# Altium PCB onStep-board.PcbDoc
Units mm, origin at the board's own origin, x right, y up, seen from the top; angles counter-clockwise.
Board outline 100 x 70 mm, 2 copper layers (Top Layer, Bottom Layer); 52 components, 46 nets, 205 pads, 34 vias.
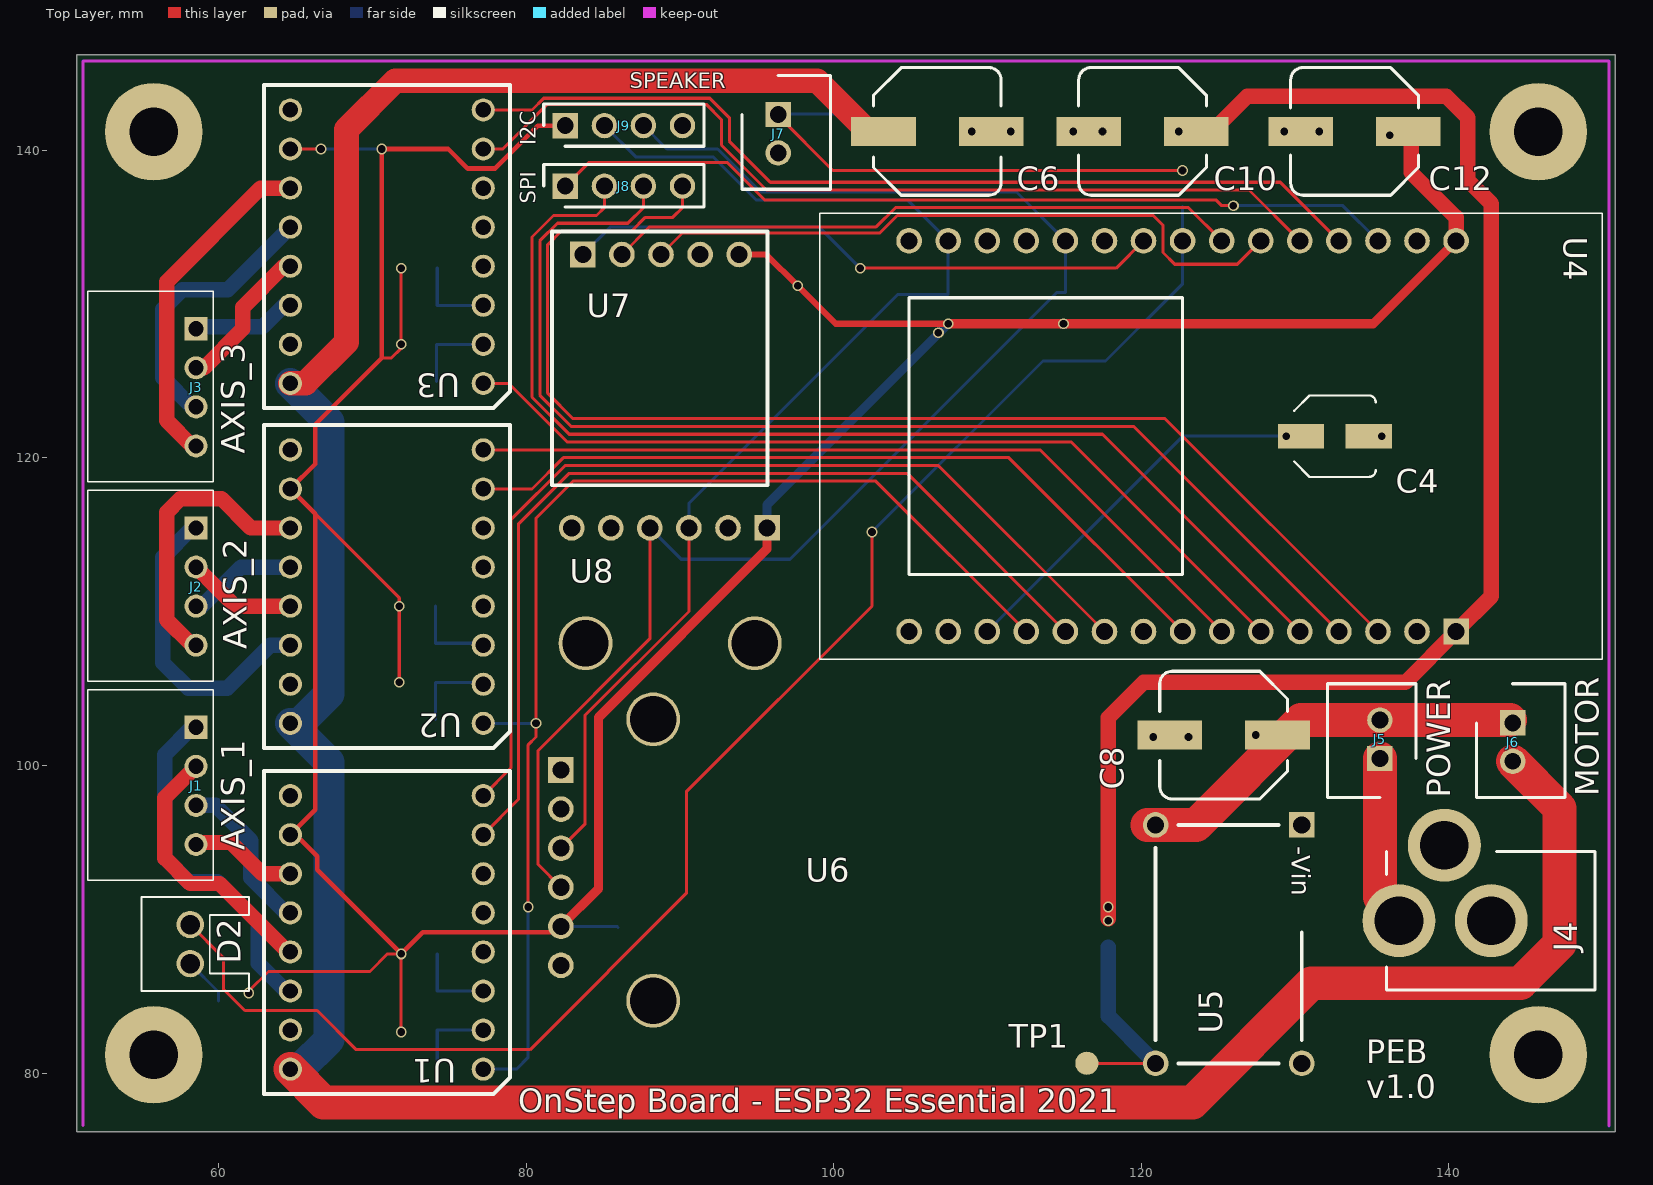
[diagram p0: Top Layer view]
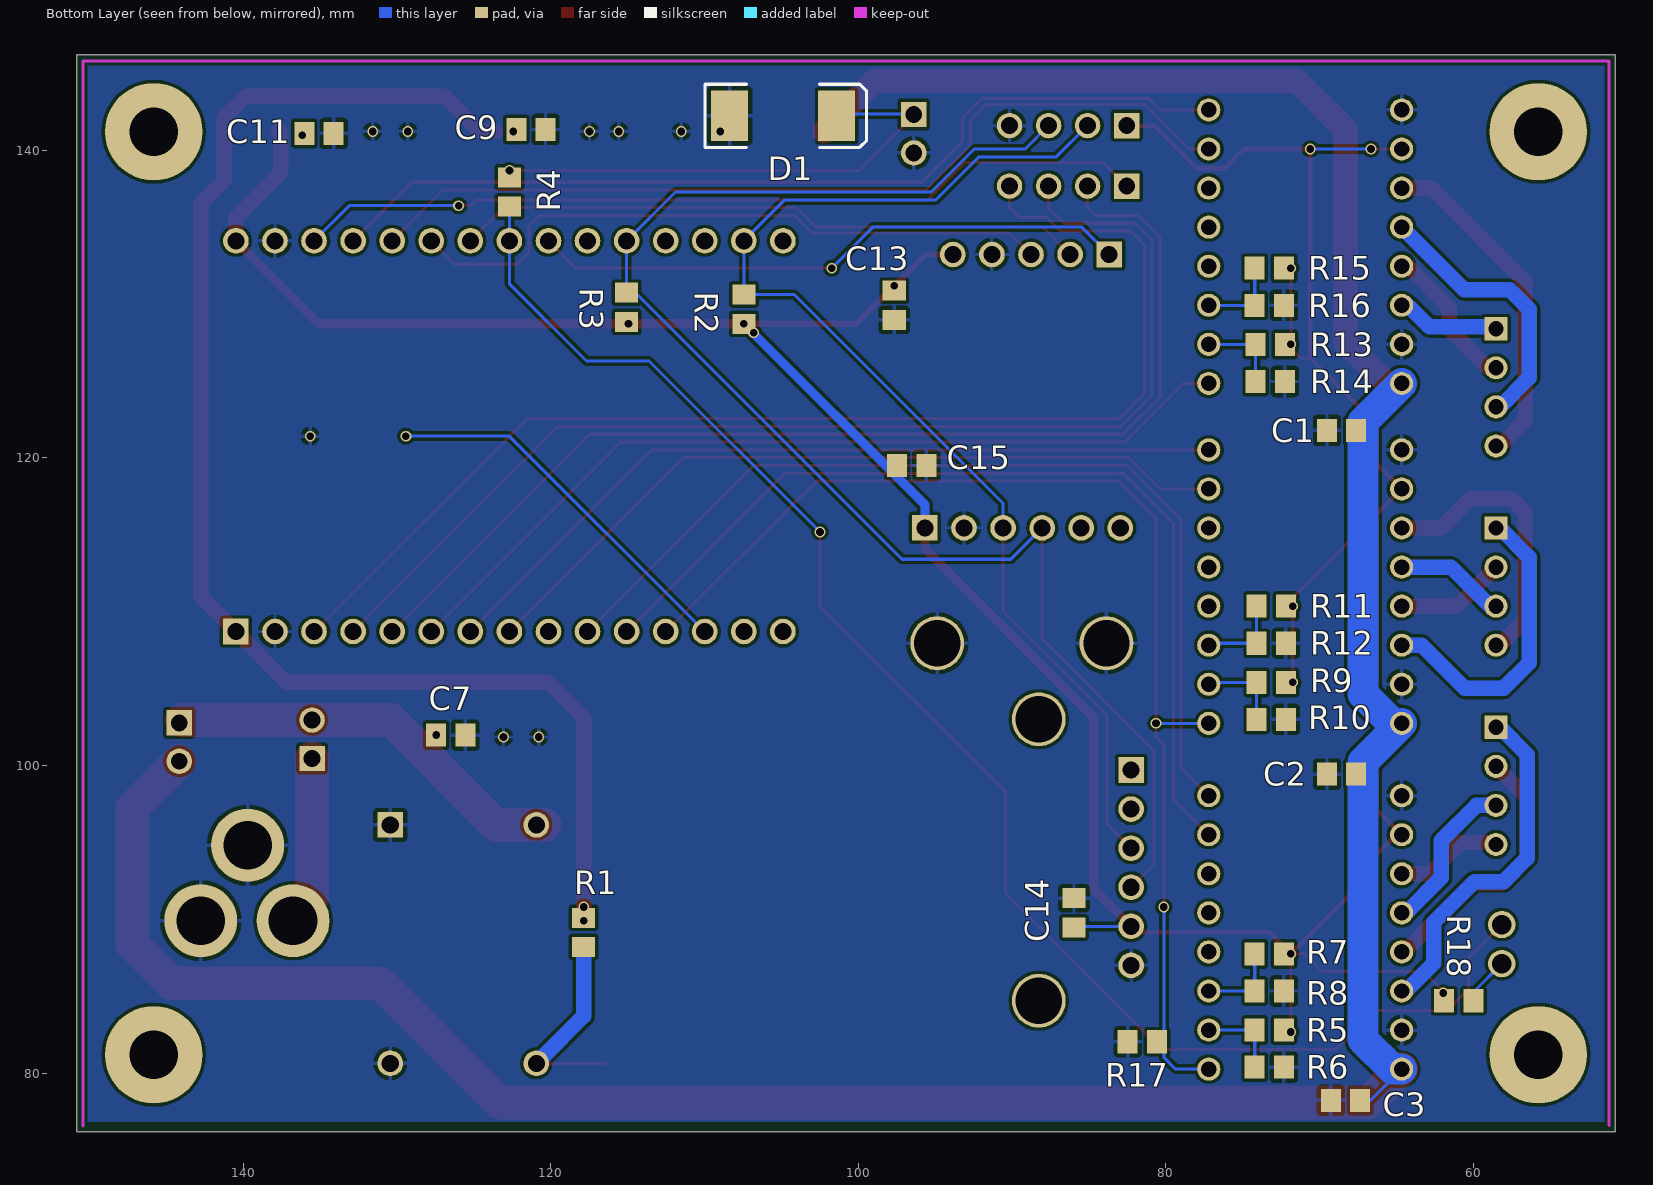
[diagram p1: Bottom Layer view, seen from below]
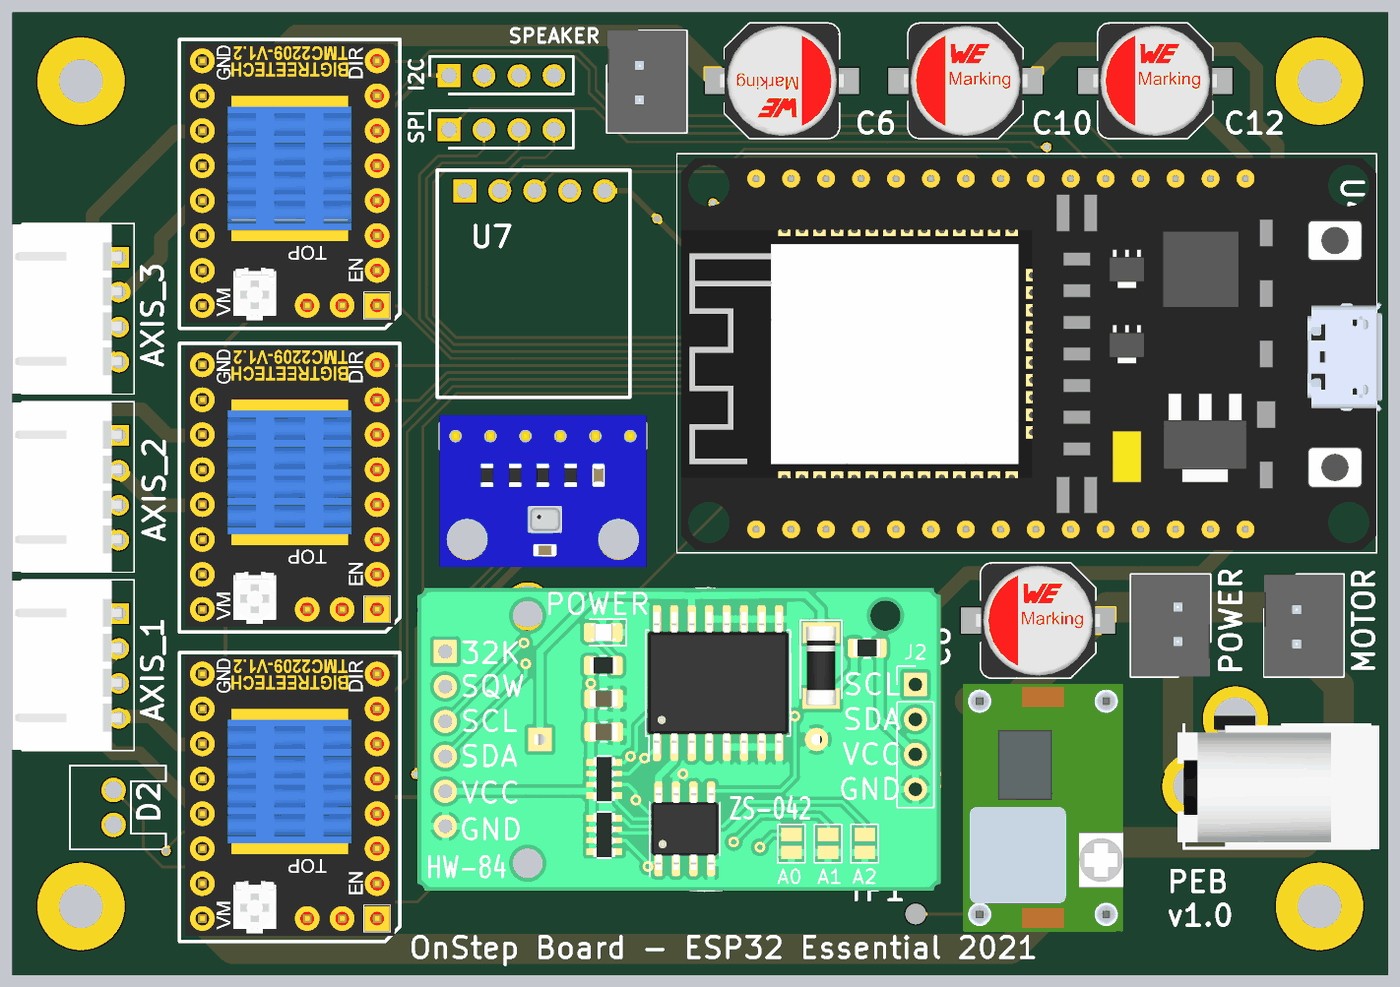
[diagram p2: 3D render of the assembled board from above, using the file's embedded part models]
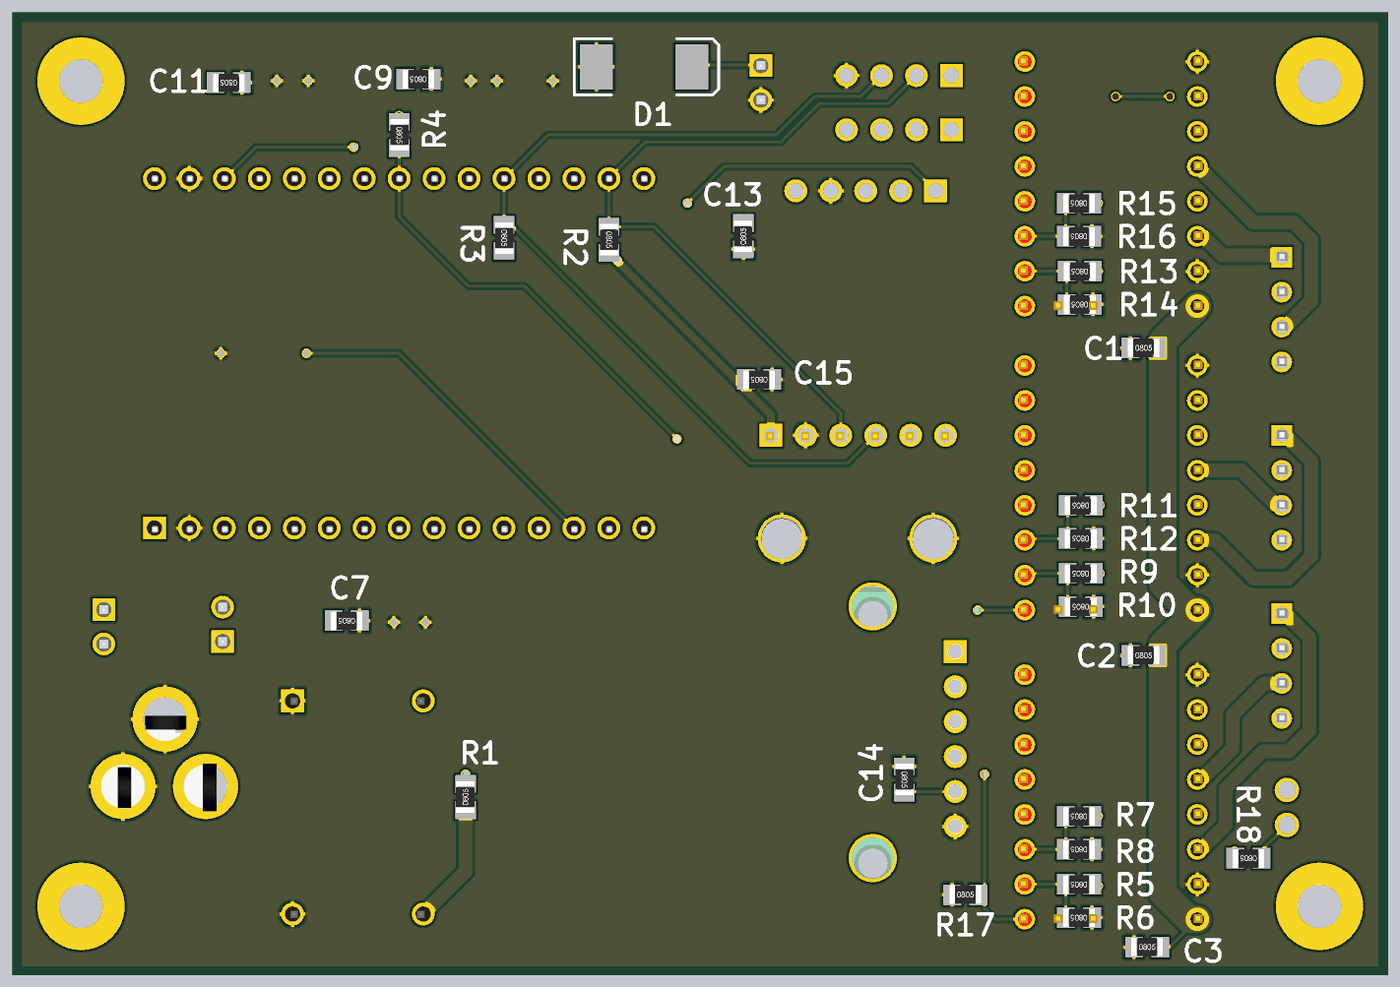
[diagram p3: 3D render of the assembled board from below, using the file's embedded part models]

## Layer stack, top to bottom
Top Solder: solder mask 0.0102, Solder Resist, Dk 3.5
Top Layer: signal copper 0.0356
Dielectric 1: dielectric 0.32, FR-4, Dk 4.8
Bottom Layer: signal copper 0.0356
Bottom Solder: solder mask 0.0102, Solder Resist, Dk 3.5

## Board outline
50.8,76.2 150.8,76.2 150.8,146.2 50.8,146.2

## Design rules (kind name [scope] priority, off if disabled: settings)
Clearance [All] p1: gap=0.2 ignorepadtopadclearanceinfootprint=FALSE
HoleSize [All] p1: absolutevalues=TRUE maxlimit=6 minlimit=0.025 maxpercent=80.000 minpercent=20.000
PolygonConnect [All] p1: connectstyle=Relief reliefconductorwidth=0.254 reliefentries=4 polygonreliefangle="90 Angle" airgapwidth=0.254
RoutingVias [All] p1: holewidth=0.6 width=1 viastyle="Through Hole" minholewidth=0.5 minwidth=1.27 maxholewidth=7 maxwidth=9
SolderMaskExpansion [All] p1: expansion=0.102
Width [All] p1: maxlimit=5 minlimit=0.2 preferedwidth=0.2
29 further rules are at their usual default settings.

## Classes and differential pairs
component class onStep-board-uc: C4 C11 C12 C13 C14 C15 D1 D2 J7 J8 J9 R2 R3 R4 R17 R18 U4 U6 U7 U8
component class onStep-board-power: C1 C2 C3 C6 C7 C8 C9 C10 J1 J2 J3 J4 J5 J6 R1 R5 R6 R7 R8 R9 R10 R11 R12 R13 R14 R15 R16 TP1 U1 U2 U3 U5

## Components (designator, comment, footprint, x,y, rotation, side; value= is the part's Value field where it differs from the comment)
C1 "Cap" 0805 68.58,121.793 r180 bottom value=1uF
C2 "Cap" 0805 68.58,99.441 r180 bottom value=1uF
C3 "Cap" 0805 68.326,78.232 r180 bottom value=1uF
C4 "865060453006" WCAP-ASLL_5x5.5 132.588,121.412 r180 top value=10uF
C6 "865060453008" WCAP-ASLL_8x10.5 106.736,141.224 r180 top value=330uF
C7 "Cap" 0805 126.492,101.981 r0 bottom value=1uF
C8 "865060453006" WCAP-ASLL_8x10.5 125.349,101.981 r0 top value=100uF
C9 "Cap" 0805 121.285,141.351 r0 bottom value=1uF
C10 "865060453006" WCAP-ASLL_8x10.5 120.076,141.224 r0 top value=100uF
C11 "Cap" 0805 135.062,141.097 r0 bottom value=1uF
C12 "865060453006" WCAP-ASLL_8x10.5 133.858,141.224 r0 top value=10uF
C13 "Cap" 0805 97.663,129.921 r90 bottom value=1uF
C14 "Cap" 0805 85.979,90.424 r270 bottom value=1uF
C15 "Cap" 0805 96.52,119.507 r0 bottom value=1uF
D1 "Diode" SMC 104.886,142.24 r180 bottom
D2 "LED0" LED-0 58.166,88.392 r270 top
J1 "AXIS_1" B4BXHALFSN 58.547,102.489 r270 top
J2 "AXIS_2" B4BXHALFSN 58.547,115.443 r270 top
J3 "AXIS_3" B4BXHALFSN 58.547,128.397 r270 top
J4 "NEB_21R" NEB21R 142.748,89.916 r180 top
J5 "POWER" B2BXHALFSN 135.509,100.457 r90 top
J6 "MOTOR" B2BXHALFSN 144.145,102.777 r270 top
J7 "SPEAKER" B2BXHALFSN 96.393,142.327 r270 top
J8 "SPI" p4 82.55,137.668 r0 top
J9 "I2C" p4 82.55,141.605 r0 top
R1 "Res1" 0805 117.856,89.154 r90 bottom value=0R
R2 "Res1" 0805 107.442,129.667 r270 bottom value=2R2
R3 "Res1" 0805 115.062,129.794 r270 bottom value=2R2
R4 "Res1" 0805 122.682,137.287 r270 bottom value=200R
R5 "Res1" 0805 73.279,82.804 r0 bottom value=0R
R6 "Res1" 0805 73.279,80.391 r0 bottom value=0R
R7 "Res1" 0805 73.279,87.757 r0 bottom value=0R
R8 "Res1" 0805 73.279,85.344 r0 bottom value=0R
R9 "Res1" 0805 73.152,105.41 r0 bottom value=0R
R10 "Res1" 0805 73.152,102.997 r0 bottom value=0R
R11 "Res1" 0805 73.152,110.363 r0 bottom value=0R
R12 "Res1" 0805 73.152,107.95 r0 bottom value=0R
R13 "Res1" 0805 73.218,127.381 r0 bottom value=0R
R14 "Res1" 0805 73.218,124.968 r0 bottom value=0R
R15 "Res1" 0805 73.279,132.334 r0 bottom value=0R
R16 "Res1" 0805 73.279,129.921 r0 bottom value=0R
R17 "Res1" 0805 81.534,82.042 r180 bottom value=470R
R18 "Res1" 0805 60.96,84.709 r0 bottom value=3K3
TP1 "TEST_POINT" TEST_POINT 116.459,80.645 r90 top
U1 "TMC2208" TMC22XX 77.216,80.264 r180 top
U2 "TMC2208" TMC22xx 77.216,102.743 r180 top
U3 "TMC2208" TMC22xx 77.216,124.841 r180 top
U4 "ESP32-WROOM-DEVKIT" ESP32-WROOM-DEVKIT 130.302,121.412 r180 top
U5 "DCDC-MINI360" DCDC-MINI360 130.429,96.139 r270 top
U6 "DS3231" DS3231 82.265,99.709 r0 top
U7 "ATGM336H" ATGM336H 83.693,133.223 r90 top
U8 "BMP280" BMP280 95.669,115.45 r270 top

## Footprints (in the part's own frame and the unit in brackets; to place one, negate y for a bottom-side part, rotate by r counter-clockwise, add the part's x,y. Pads: shape width x height; smd on the part's side, far side on the other; paste and mask are expansions set on the pad)
0805 [mm] "Chip Resistor; Body 2.0 x 1.3 mm (LxW typ)"
  rect 1.3x1.5 smd: 1(-0.95,0) 2(0.95,0)
  body extent -1.15,-0.65 1.15,0.7, height 0.76
ATGM336H [mm]
  rect 1.665x1.665 hole 1.11: 1(0,0)
  round 1.665 hole 1.11: 2(0,-2.54) 3(0,-5.08) 4(0,-7.62) 5(0,-10.16)
  silkscreen extent -15,-12 1.5,2
B2BXHALFSN [mm]
  rect 1.65x1.65 hole 1.1: 1(0,0)
  round 1.65 hole 1.1: 2(2.5,0)
  silkscreen extent -2.54,-2.35 4.86,3.4, body extent -2.54,-2.35 4.86,3.4, height 7
B4BXHALFSN [mm]
  rect 1.5x1.5 hole 1: 1(0,0)
  round 1.5 hole 1: 2(2.54,0) 3(5.08,0) 4(7.62,0)
  silkscreen extent -2.45,-7.04 9.95,1.12, body extent -2.39,-7.74 9.91,0.3, height 5.84
BMP280 [mm]
  rect 1.665x1.665 hole 1.11: 1(0,0)
  round 1.665 hole 1.11: 2(0,-2.54) 3(0,-5.08) 4(0,-7.62) 5(0,-10.16) 6(0,-12.7)
  round 3.5 hole 3: 2(7.5,-0.8) 2(7.5,-11.8)
  body extent -1.44,-13.92 9.56,1.32, height 6.07
DCDC-MINI360 [mm]
  rect 1.665x1.665 hole 1.11: 1(0,0)
  round 1.665 hole 1.11: 2(0,-9.5) 3(15.5,-9.5) 4(15.5,0)
  silkscreen extent 0,-9.5 15.5,0, body extent -1.23,-10.55 16.77,1.1, height 7.2
DS3231 [mm]
  rect 1.665x1.665 hole 1.11: 1(0,0)
  round 1.665 hole 1.11: 2(0,-2.54) 3(0,-5.08) 4(0,-7.62) 5(0,-10.16) 6(0,-12.7)
  round 3.5 hole 3: 2(6,-15) 2(6,3.3)
  body extent -2.01,-17.45 35.99,4.7, height 13.15
ESP32-WROOM-DEVKIT [mm]
  rect 1.665x1.665 hole 1.11: 1(-10.16,12.7)
  round 1.665 hole 1.11: 2(-7.62,12.7) 3(-5.08,12.7) 4(-2.54,12.7) 5(0,12.7) 6(2.54,12.7) 7(5.08,12.7) 8(7.62,12.7) 9(10.16,12.7) 10(12.7,12.7) 11(15.24,12.7) 12(17.78,12.7) 13(20.32,12.7) 14(22.86,12.7) 15(25.4,12.7) 16(25.4,-12.7) 17(22.86,-12.7) 18(20.32,-12.7) 19(17.78,-12.7) 20(15.24,-12.7) 21(12.7,-12.7) 22(10.16,-12.7) 23(7.62,-12.7) 24(5.08,-12.7) 25(2.54,-12.7) 26(0,-12.7) 27(-2.54,-12.7) 28(-5.08,-12.7) 29(-7.62,-12.7) 30(-10.16,-12.7)
  silkscreen extent -19.66,-14.5 31.2,14.5, body extent -20.05,-14.2 30.88,14.3, height 6.8
LED-0 [mil] "LED; 2 Leads"
  round 70 hole 50: 1(50,0) 2(-50,0)
  silkscreen extent -120,-125 120,150
NEB21R [mm]
  round 4.74 hole 3.16: 1(0,0) 2(3.05,-4.9) 3(6,0)
  silkscreen extent -6.73,-4.5 6.8,4.5, body extent -7.39,-5.13 7.26,4.57, height 10.8
p4 [mm]
  rect 1.65x1.65 hole 1.1: 1(0,0)
  round 1.65 hole 1.1: 2(2.54,0) 3(5.08,0) 4(7.62,0)
  silkscreen extent -1.4,-1.35 9.02,1.4
SMC [mm] "DO-214-AB/SMC; 2 C-Bend Leads; Body 7.9 x 5.9 mm, inc. leads (LxW)"
  rect 2.4x3.3 smd: 1(-3.475,0) 2(3.475,0)
  silkscreen extent -5.07,-2.05 5.43,2.05
TEST_POINT [mm]
  round 1.5 smd: 1(0,0)
TMC22XX [mm]
  round 1.5 hole 1: 1(0,0) 2(0,-2.54) 3(0,-5.08) 4(0,-7.62) 5(0,-10.16) 6(0,-12.7) 7(0,-15.24) 8(0,-17.78) 9(12.54,-17.78) 10(12.54,-15.24) 11(12.54,-12.7) 12(12.54,-10.16) 13(12.54,-7.62) 14(12.54,-5.08) 15(12.54,-2.54) 16(12.54,0)
  silkscreen extent -1.75,-19.39 14.25,1.61, body extent -1.37,-19.1 13.87,1.22, height 16.29
TMC22xx [mm]
  round 1.5 hole 1: 1(0,0) 2(0,-2.54) 3(0,-5.08) 4(0,-7.62) 5(0,-10.16) 6(0,-12.7) 7(0,-15.24) 8(0,-17.78) 9(12.54,-17.78) 10(12.54,-15.24) 11(12.54,-12.7) 12(12.54,-10.16) 13(12.54,-7.62) 14(12.54,-5.08) 15(12.54,-2.54) 16(12.54,0)
  silkscreen extent -1.75,-19.39 14.25,1.61, body extent -1.37,-19.1 13.87,1.22, height 16.29
WCAP-ASLL_5x5.5 [mm] "Aluminium Electrolytic V-Chip SMT Capacitors, Ф5x5.5mm"
  rect 3x1.6 smd: 1(2.2,0) 2(-2.2,0)
  silkscreen extent -2.65,-2.65 2.65,2.65
WCAP-ASLL_8x10.5 [mm] "Aluminium Electrolytic V-Chip SMT Capacitors, Ф8x10.5mm"
  rect 4.2x1.9 smd: 1(3.5,0) 2(-3.5,0)
  silkscreen extent -4.15,-4.15 4.15,4.15, body extent -4.5,-4.15 4.5,4.15, height 10.5

## Part data
C1 C2 C3 C7 C9 C11 C13 C14 C15: "Capacitor", LatestRevisionDate=17-Jul-2002, LatestRevisionNote="Re-released for DXP Platform.", PackageDescription="Radial Cap, Thru-Hole; 2 Leads; 0.3 in Pin Spacing", PackageReference=RAD-0.3, Published=8-Jun-2000, Publisher="Altium Limited"
C4 C8 C10 C12: "WCAP-ASLL Aluminum Electrolytic Capacitors, size ?8x10.5mm, 25V DC, 150uF", Operating Temperature="-55 癈 up to +105 癈", Rated Voltage="25V DC", ComponentLink1Description=Manufacturer, ComponentLink1URL=http://www.we-online.de, ComponentLink2Description=Datasheet, ComponentLink2URL=http://katalog.we-online.de/pbs/datasheet/865060453006.pdf, Life Cycle=5000h, Part Number=865060453006, Published Date="June 2017", Publisher="Wurth Elektronik", Size=?8x10.5mm
C6: "WCAP-ASLL Aluminum Electrolytic Capacitors, size ?8x10.5mm, 25V DC, 330uF", Operating Temperature="-55 癈 up to +105 癈", Rated Voltage="25V DC", ComponentLink1Description=Manufacturer, ComponentLink1URL=http://www.we-online.de, ComponentLink2Description=Datasheet, ComponentLink2URL=http://katalog.we-online.de/pbs/datasheet/865060453008.pdf, Life Cycle=5000h, Part Number=865060453008, Published Date="June 2017", Publisher="Wurth Elektronik", Size=?8x10.5mm
D1: "Default Diode", Code_JEDEC=DO-214-AB, LatestRevisionDate=17-Jul-2002, LatestRevisionNote="Re-released for DXP Platform.", PackageDescription="DO-214-AB/SMC; 2 C-Bend Leads; Body 7.9 x 5.9 mm, inc. leads (LxW)", PackageReference=SMC, PackageVersion=Sep-1996, Published=8-Jun-2000, Publisher="Altium Limited"
D2: "Typical INFRARED GaAs LED", LatestRevisionDate=08-Jul-2005, LatestRevisionNote="Mech Layer 1 removed.", PackageDescription="LED; 2 Leads", PackageReference=LED-0, Published=8-Jun-2000, Publisher="Altium Limited"
J1 J2 J3 J8 J9: library part B4B-XH-A_LF__SN_, "Connector", Arrow Part Number=B4B-XH-A(LF)(SN), Manufacturer_Name="JST (JAPAN SOLDERLESS TERMINALS)", Arrow Price/Stock=https://www.arrow.com/en/products/b4b-xh-a-lf-sn/jst-manufacturing, Datasheet Link=https://datasheet.lcsc.com/szlcsc/JST-Sales-America-B4B-XH-A-LF-SN_C144395.pdf, Height=7mm, Manufacturer_Part_Number=B4B-XH-A(LF)(SN)
J4: "Connector", Manufacturer_Name=LUMBERG, Manufacturer_Part_Number=NEB+21+R, Datasheet Link=https://downloads.lumberg.com/datenblaetter/en/neb21r.pdf, Height=11mm
J5 J6 J7: library part B2B-XH-A_LF__SN_, "Connector", Arrow Part Number=B2B-XH-A(LF)(SN), Manufacturer_Name="JST (JAPAN SOLDERLESS TERMINALS)", Arrow Price/Stock=https://www.arrow.com/en/products/b2b-xh-a-lf-sn/jst-manufacturing?region=europe, Datasheet Link=http://www.jst-mfg.com/product/pdf/eng/eXH.pdf, Height=7mm, Manufacturer_Part_Number=B2B-XH-A(LF)(SN)
R1 R2 R3 R4 R5 R6 R7 R8 R9 R10 R11 R12 R13 R14 R15 R16 R17 R18: "Resistor", LatestRevisionDate=17-Jul-2002, LatestRevisionNote="Re-released for DXP Platform.", PackageDescription="Axial Device, Thru-Hole; 2 Leads; 0.3 in Pin Spacing", PackageReference=AXIAL-0.3, Published=8-Jun-2000, Publisher="Altium Limited"

## Free pads (board coordinates)
  round 6.35 hole 3.175: 1(55.8,81.2) 1(55.8,141.2) 1(145.8,81.2) 1(145.8,141.2)

## Via types
v1: diameter 0.7, hole 0.5, Top Layer to Bottom Layer, 34 vias

## Nets (pads, with @x,y where several pads share a name; then routed paths per layer and width w, separated by ;. In a path a pad name is that pad's centre, name@x,y a point inside that pad or via, vN(x,y) a via of type N, cw(c..) or ccw(c..) an arc to the next point about the centre after c; other vN are vias at no path point)
AXIS1_DIR: U1.8 U4.10 | length 63.2
  Top Layer w0.2: U1.8 79.013,99.841 79.013,115.97 82.55,119.507 106.807,119.507 U4.10
AXIS1_M1A: J1.2 U1.13 | length 17.4
  Top Layer w1: J1.2 56.515,97.917 56.515,93.98 58.166,92.329 60.071,92.329 U1.13@64.596,87.804
AXIS1_M1B: J1.1 U1.14 | length 22.8
  Bottom Layer w1: J1.1 58.293,102.489 56.515,100.711 56.515,93.98 58.039,92.456 59.944,92.456 62.599,89.801 62.599,87.134 64.389,85.344 U1.14
AXIS1_M2A: J1.3 U1.12 | length 10.4
  Bottom Layer w1: J1.3 59.817,97.409 62.103,95.123 62.103,92.71 64.389,90.424 U1.12
AXIS1_M2B: J1.4 U1.11 | length 6.5
  Top Layer w1: J1.4@59.055,94.996 60.833,94.996 62.865,92.964 U1.11
AXIS1_MS1: R5.2 R6.2 U1.2 | length 5.4
  Bottom Layer w0.2: R6.2 R5.2 U1.2
AXIS1_MS2: R7.2 R8.2 U1.3 | length 5.4
  Bottom Layer w0.2: R7.2 R8.2 U1.3
AXIS1_STEP: U1.7 U4.11 | length 62.3
  Top Layer w0.2: U1.7 79.502,97.79 79.502,115.697 82.804,118.999 104.775,118.999 U4.11
AXIS2_DIR: U2.8 U4.7 | length 52.9
  Top Layer w0.2: U2.8 113.411,120.523 U4.7
AXIS2_M1A: J2.2 U2.13 | length 7.2
  Top Layer w1: J2.2 61.087,110.363 U2.13
AXIS2_M1B: J2.1 U2.14 | length 19.9
  Bottom Layer w1: J2.1 58.293,115.443 56.388,113.538 56.388,106.68 58.039,105.029 60.579,105.029 63.373,107.823 U2.14
AXIS2_M2A: J2.3 U2.12 | length 7.2
  Bottom Layer w1: J2.3 58.928,110.363 61.468,112.903 U2.12
AXIS2_M2B: J2.4 U2.11 | length 18.8
  Top Layer w1: J2.4 58.293,107.823 56.642,109.474 56.642,116.459 57.531,117.348 60.198,117.348 62.103,115.443 U2.11
AXIS2_MS1: R9.2 R10.2 U2.2 | length 5.6
  Bottom Layer w0.2: R10.2 R9.2 77.089,105.41 U2.2
AXIS2_MS2: R11.2 R12.2 U2.3 | length 5.6
  Bottom Layer w0.2: R11.2 R12.2 77.089,107.95 U2.3
AXIS2_STEP: U2.7 U4.8 | length 51
  Top Layer w0.2: U2.7 80.391,117.983 82.423,120.015 111.379,120.015 U4.8
AXIS3_DIR: U3.8 U4.27 | length 60.7
  Top Layer w0.2: U3.8 80.391,142.621 81.153,143.383 91.948,143.383 93.218,142.113 93.218,140.589 95.885,137.922 129.032,137.922 U4.27
AXIS3_EN: U3.1 U4.6 | length 57.2
  Top Layer w0.2: U3.1 78.867,124.841 82.677,121.031 115.443,121.031 U4.6
AXIS3_M1A: J3.2 U3.13 | length 9.7
  Top Layer w1: J3.2 59.055,125.857 61.595,128.397 61.595,129.794 64.262,132.461 U3.13
AXIS3_M1B: J3.1 U3.14 | length 6.7
  Bottom Layer w1: J3.1@58.547,128.524 62.865,128.524 64.262,129.921 U3.14
AXIS3_M2A: J3.3 U3.12 | length 17.9
  Bottom Layer w1: J3.3 58.293,123.317 56.388,125.222 56.388,129.667 57.658,130.937 60.612,130.937 U3.12
AXIS3_M2B: J3.4 U3.11 | length 22.2
  Top Layer w1: J3.4 58.293,120.777 56.642,122.428 56.642,131.445 62.738,137.541 U3.11
AXIS3_MS1: R13.2 R14.2 U3.2 | length 5.5
  Bottom Layer w0.2: R14.2 R13.2 U3.2
AXIS3_MS2: R15.2 R16.2 U3.3 | length 5.4
  Bottom Layer w0.2: R15.2 R16.2 U3.3
AXIS3_STEP: U3.7 U4.26 | length 58.9
  Top Layer w0.2: U3.7 78.486,140.081 81.388,142.983 91.713,142.983 92.71,141.986 92.71,140.335 95.631,137.414 127,137.414 U4.26
AXIS12_EN: R17.2 U1.1 U2.1 U4.12 | length 78.9
  Top Layer w0.2: v1(80.137,90.805) 80.137,101.346 80.645,101.854 v1(80.645,102.743) 80.645,116.078 83.058,118.491 102.743,118.491 U4.12
  Bottom Layer w0.2: U1.1 79.375,80.264 80.137,81.026 v1(80.137,90.805) ; U2.1 v1(80.645,102.743)
GND: C1.1 C2.1 C3.1 C4.2 C6.2 C7.1 C8.2 C9.1 C10.2 C11.1 C12.2 C13.1 C14.1 C15.1 D1.1 J4.1 J4.2 J7.2 J9.4 R6.1 R8.1 R10.1 R12.1 R14.1 R16.1 R17.1 U1.9 U1.15 U2.9 U2.15 U3.9 U3.15 U4.2 U4.29 U5.1 U5.4 U6.6 U7.4 U8.2
  other v1: 120.777,101.854 123.063,101.854 135.636,121.412 108.966,141.224 111.506,141.224 115.57,141.224 117.475,141.224 129.286,141.224 131.572,141.224
GPS_PPS: U4.22 U7.1 | length 39
  Top Layer w0.2: v1(101.727,132.334) 118.364,132.334 U4.22
  Bottom Layer w0.2: U7.1 85.471,135.001 99.06,135.001 v1(101.727,132.334)
GPS_RX: U4.24 U7.2 | length 41.1
  Top Layer w0.2: U7.2 88.03,135.02 102.762,135.02 104.013,136.271 123.063,136.271 U4.24
GPS_TX: U4.25 U7.3 | length 43
  Top Layer w0.2: U7.3 90.17,134.62 102.997,134.62 104.14,135.763 120.777,135.763 121.412,135.128 121.412,133.35 122.174,132.588 126.238,132.588 U4.25
I2C_SCL: J9.2 R2.1 U4.17 U6.3 U8.3 | length 77.3
  Top Layer w0.2: U6.3 83.82,96.184 83.82,103.251 90.589,110.02 U8.3
  Bottom Layer w0.2: J9.2 87.122,139.573 92.15,139.573 94.944,136.779 104.775,136.779 U4.17 R2.1 104.149,130.617 90.589,117.057 U8.3
I2C_SDA: J9.3 R3.1 U4.20 U6.4 U8.4 | length 95.9
  Top Layer w0.2: U6.4 80.772,93.582 80.772,100.965 88.049,108.242 U8.4
  Bottom Layer w0.2: J9.3 89.154,140.081 92.456,140.081 95.25,137.287 111.887,137.287 U4.20 R3.1 114.488,130.744 97.155,113.411 90.088,113.411 U8.4
NetD1_2: D1.2 J7.1 R4.1 | length 33.2
  Top Layer w0.2: J7.1@96.393,142.581 J7.1 96.393,142.24 99.949,138.684 v1(122.682,138.684)
  Bottom Layer w0.2: J7.1@96.393,142.581 96.607,142.367 D1.2@101.411,142.367
NetD2_1: D2.1 R18.1 | length 3.2
  Bottom Layer w0.2: D2.1 60.01,85.278 R18.1
NetJ4_3: J4.3 J5.1 | length 11.4
  Top Layer w2.2: J5.1 135.509,91.44 136.748,90.201 J4.3 J4.3@136.748,89.535
NetR1_1: R1.1 TP1.1 U5.3 | length 12.6
  Top Layer w0.2: TP1.1 116.465,80.639 U5.3@120.269,80.639
  Bottom Layer w1: R1.1 117.856,83.712 120.611,80.957 U5.3@120.973,80.957
PIN_VN: C4.1 U4.13 | length 24.7
  Bottom Layer w0.2: U4.13 122.682,121.412 v1(129.413,121.412)
SPEAKER: D2.2 R4.2 U4.23 | length 101.4
  Top Layer w0.2: D2.2 60.325,87.503 60.325,85.471 61.722,84.074 66.421,84.074 68.961,81.534 80.264,81.534 90.424,91.694 90.424,98.298 102.489,110.363 v1(102.489,115.189)
  Bottom Layer w0.2: v1(102.489,115.189) 113.602,126.301 117.665,126.301 122.682,131.318 U4.23 R4.2
SPI_CLK: J8.2 U4.5 | length 73.5
  Top Layer w0.2: J8.2 85.09,136.271 84.582,135.763 81.788,135.763 80.391,134.366 80.391,123.952 82.804,121.539 117.475,121.539 U4.5
SPI_CS0: J8.1 U4.28 | length 55.6
  Top Layer w0.2: J8.1 84.074,139.192 93.091,139.192 95.504,136.779 124.841,136.779 125.222,136.398 v1(125.984,136.398)
  Bottom Layer w0.2: v1(125.984,136.398) 133.096,136.398 U4.28
SPI_MISO: J8.3 U4.4 | length 77.4
  Top Layer w0.2: J8.3 87.63,136.271 86.614,135.255 82.042,135.255 80.899,134.112 80.899,124.079 82.931,122.047 119.507,122.047 U4.4
SPI_MOSI: J8.4 U4.3 | length 81.2
  Top Layer w0.2: J8.4 90.17,136.271 89.535,135.636 87.757,135.636 86.868,134.747 82.296,134.747 81.407,133.858 81.407,124.206 83.058,122.555 121.539,122.555 U4.3
VOLTAGE_3V3: C11.2 C12.1 C13.2 C14.2 C15.2 J9.1 R2.2 R3.2 R5.1 R7.1 R9.1 R11.1 R13.1 R15.1 R18.2 U1.10 U2.10 U3.10 U4.30 U6.5 U7.5 U8.1 | length 238.5
  Top Layer w0.2: v1(61.976,85.213) 61.976,85.339 63.251,86.614 69.85,86.614 70.993,87.757 v1(71.882,87.757) v1(71.882,82.677) ; U3.10 v1(66.675,140.081) ; 66.294,116.365 71.755,110.904 v1(71.755,110.363) v1(71.755,105.41) ; 70.612,126.492 71.247,126.492 71.882,127.127 v1(71.882,127.381) v1(71.882,132.334) ; U6.5@81.87,89.154 U6.5
  Top Layer w0.3: U6.5@81.87,89.154 73.279,89.154 v1(71.882,87.757) 66.421,93.218 66.421,94.107 65.024,95.504 U1.10 66.294,97.122 66.294,116.365 U2.10 66.294,119.601 66.294,122.174 70.612,126.492 v1(70.612,140.081) 74.93,140.081 76.2,138.811 77.978,138.811 80.772,141.605 J9.1
  Top Layer w0.4: U7.5 95.631,133.223 v1(97.663,131.191) 100.137,128.717 v1(107.442,128.717)
  Top Layer w0.6: U6.5 84.709,91.993 84.709,103.124 95.669,114.084 U8.1 ; v1(107.442,128.717) v1(114.935,128.717) 135.067,128.717 U4.30
  Top Layer w1: C12.1@137.704,141.26 137.541,141.097 137.541,138.557 140.462,135.636 U4.30
  Bottom Layer w0.2: v1(66.675,140.081) v1(70.612,140.081) ; U6.5 85.904,89.549 C14.2
  Bottom Layer w0.6: U8.1 95.669,116.944 v1(107.442,128.717)
  other v1: 106.807,128.143 136.144,140.97
VOLTAGE_6V: C9.2 C10.1 R1.2 U4.1 | length 92.2
  Top Layer w1: v1@117.856,90.043 v1(117.856,90.805) 117.856,103.124 120.142,105.41 137.16,105.41 U4.1 142.748,110.998 142.748,136.525 141.224,138.049 141.224,142.113 139.827,143.51 126.873,143.51 124.587,141.224 C10.1
  other v1: 117.856,89.916 122.428,141.224
VOLTAGE_12V: C7.2 C8.1 J5.2 J6.1 U5.2 | length 26.6
  Top Layer w0.2: J6.1@143.965,102.957 J6.1
  Top Layer w2.2: U5.2@120.396,96.139 U5.2 123.571,96.139 130.389,102.957 J5.2 J6.1@143.965,102.957
  other v1: 127.442,101.981
VOLTAGE_VMOT: C1.2 C2.2 C3.2 C6.1 J6.2 U1.16 U2.16 U3.16 | length 209
  Top Layer w1.6: U3.16 65.659,124.841 68.326,127.508 68.326,141.351 71.501,144.526 98.918,144.526 C6.1@102.22,141.224
  Top Layer w2.2: U1.16 66.835,78.105 123.317,78.105 131.064,85.852 144.653,85.852 147.193,88.392 147.193,97.229 J6.2
  Bottom Layer w0.2: U1.16 66.708,78.232 C3.2
  Bottom Layer w2: U1.16 65.278,80.264 67.183,82.169 67.183,100.236 U2.16 65.278,102.743 67.183,104.648 67.183,122.334 U3.16
pads on no net: U1.4 U1.5 U1.6 U2.4 U2.5 U2.6 U3.4 U3.5 U3.6 U4.9 U4.14 U4.15 U4.16 U4.18 U4.19 U4.21 U6.1 U6.2 U8.5 U8.6

## Polygon pours and split planes (outlines as drawn)
GND on Bottom Layer "GND" (solid, pour order 0): 50.8,146.177 150.749,146.177 150.749,76.835 50.8,76.835

## Keep-outs
Keep-Out Layer:
  lines w0.2: 51.2,76.6 51.2,145.796 150.4,145.796 150.4,76.581

## Silkscreen, mask and mechanical layers (free items; w line width, h text height)
Top Overlay:
  text "PEB / v1.0" at 134.62,78.359 h1.52
  text "OnStep Board - ESP32 Essential 2021" at 79.502,77.47 h1.52
Mechanical 1:
  lines w0.2: 51.2,76.6 150.4,76.6

## Dimensions
50.8,146.177 to 50.8,76.2 on Mechanical 1
50.8,76.2 to 150.8,76.2 on Mechanical 1
150.8,146.2 to 145.8,141.2 on Mechanical 1
150.8,146.2 to 145.8,141.2 on Mechanical 1
145.8,81.2 to 150.8,76.2 on Mechanical 1
145.8,81.2 to 150.8,76.2 on Mechanical 1
55.8,81.2 to 50.8,76.2 on Mechanical 1
55.8,81.2 to 50.8,76.2 on Mechanical 1
50.8,146.2 to 55.8,141.2 on Mechanical 1
50.8,146.2 to 55.8,141.2 on Mechanical 1

## Text inside footprints (layer, text, board x,y; h text height)
U5: Top Overlay "-Vin" at 129.794,94.767 h1.2 r270